# KiCad board Naked48.kicad_pcb
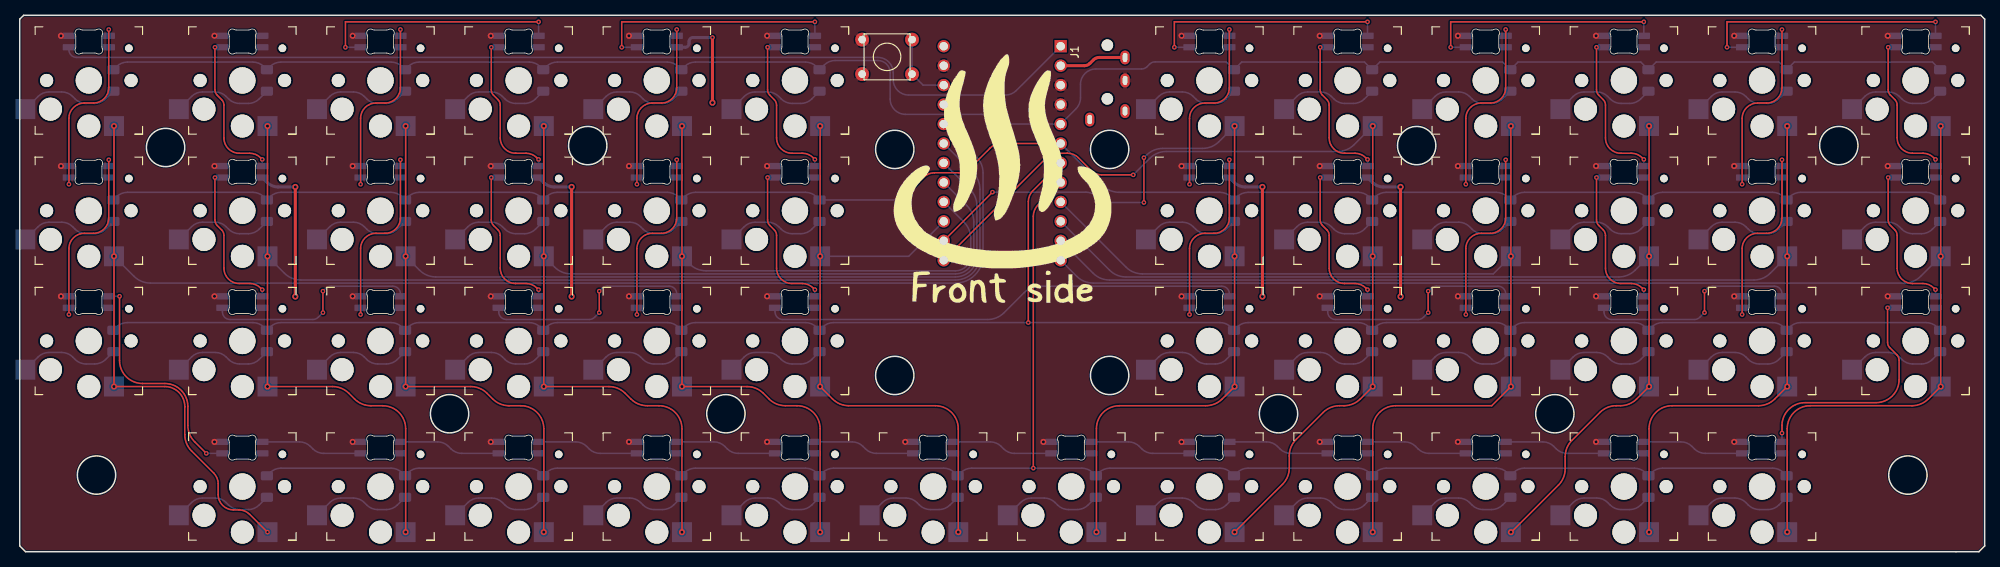
[diagram p0: board, top side]
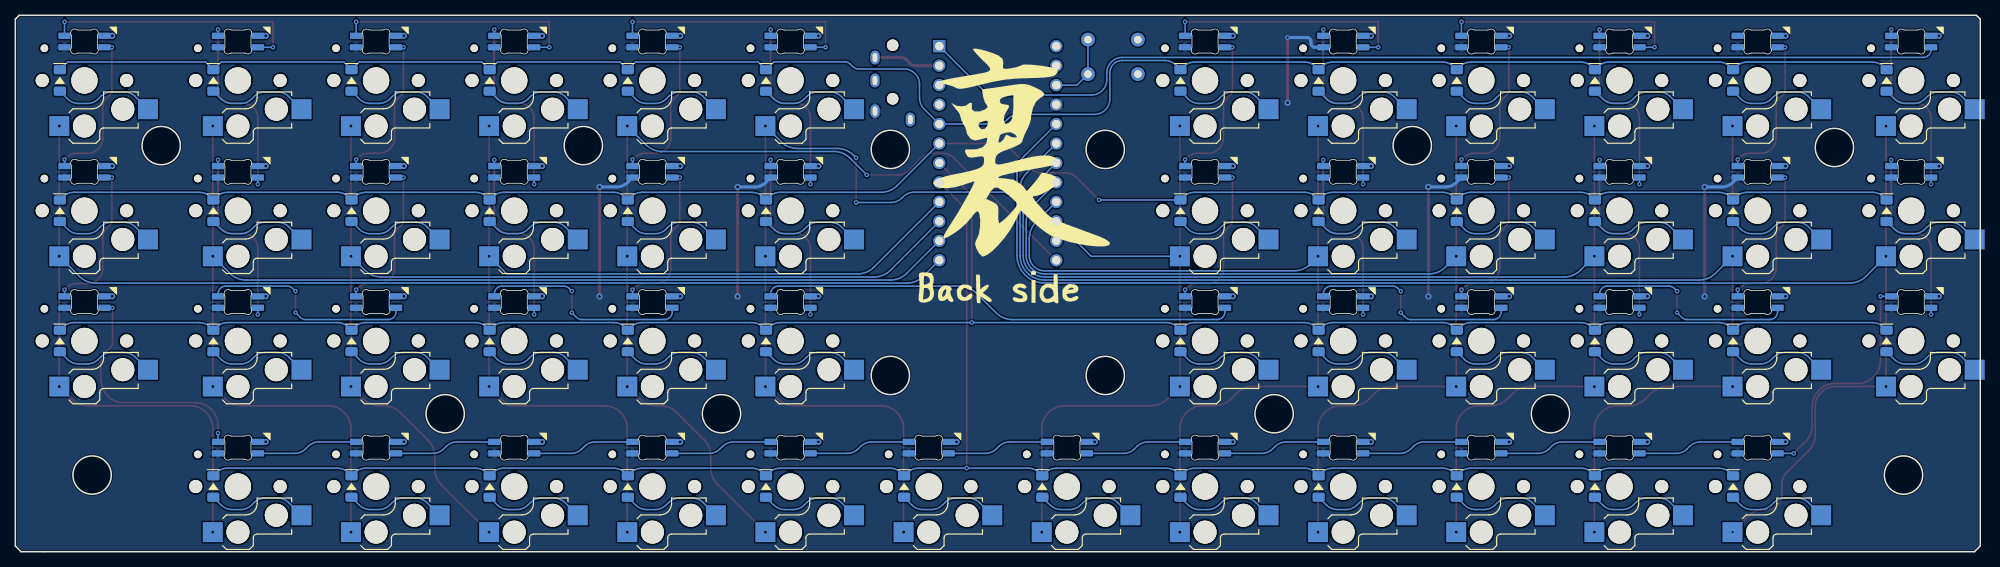
[diagram p1: board, bottom side, seen from below]

Outline 256 x 70 mm; copper layers: Top, Bottom. Coordinates in mm from the lower left corner of the outline.
Outline path: circle c10,10 r2.5 ; circle c19,52.75 r2.5 ; circle c56,18 r2.5 ; circle c74,53 r2.5 ; circle c92,18 r2.5 ; circle c114,52.5 r2.5 ; circle c114,23 r2.5 ; circle c142,52.5 r2.5 ; circle c142,23 r2.5 ; circle c164,18 r2.5 ; circle c182,53 r2.5 ; circle c200,18 r2.5 ; circle c237,53 r2.5 ; circle c246,10 r2.5 ; 0,69.5 0.5,70 255.5,70 256,69.5 256,0.75 255.25,0 0.75,0 0,0.75 0,69.5

## Placement (name value [footprint] x y rotation side)
D1  1N4148  [DIODE_1206_SawnsProjects]  12.2 61.5 270 bottom
D2  1N4148  [DIODE_1206_SawnsProjects]  32.2 61.5 270 bottom
D3  1N4148  [DIODE_1206_SawnsProjects]  50.2 61.5 270 bottom
D4  1N4148  [DIODE_1206_SawnsProjects]  68.2 61.5 270 bottom
D5  1N4148  [DIODE_1206_SawnsProjects]  86.2 61.5 270 bottom
D6  1N4148  [DIODE_1206_SawnsProjects]  104.2 61.5 270 bottom
D7  1N4148  [DIODE_1206_SawnsProjects]  158.2 61.5 270 bottom
D8  1N4148  [DIODE_1206_SawnsProjects]  176.2 61.5 270 bottom
D9  1N4148  [DIODE_1206_SawnsProjects]  194.2 61.5 270 bottom
D10  1N4148  [DIODE_1206_SawnsProjects]  212.2 61.5 270 bottom
D11  1N4148  [DIODE_1206_SawnsProjects]  230.2 61.5 270 bottom
D12  1N4148  [DIODE_1206_SawnsProjects]  250.2 61.5 270 bottom
D13  1N4148  [DIODE_1206_SawnsProjects]  12.2 44.5 270 bottom
D14  1N4148  [DIODE_1206_SawnsProjects]  32.2 44.5 270 bottom
D15  1N4148  [DIODE_1206_SawnsProjects]  50.2 44.5 270 bottom
D16  1N4148  [DIODE_1206_SawnsProjects]  68.2 44.5 270 bottom
D17  1N4148  [DIODE_1206_SawnsProjects]  86.2 44.5 270 bottom
D18  1N4148  [DIODE_1206_SawnsProjects]  104.2 44.5 270 bottom
D19  1N4148  [DIODE_1206_SawnsProjects]  158.2 44.5 270 bottom
D20  1N4148  [DIODE_1206_SawnsProjects]  176.2 44.5 270 bottom
D21  1N4148  [DIODE_1206_SawnsProjects]  194.2 44.5 270 bottom
D22  1N4148  [DIODE_1206_SawnsProjects]  212.2 44.5 270 bottom
D23  1N4148  [DIODE_1206_SawnsProjects]  230.2 44.5 270 bottom
D24  1N4148  [DIODE_1206_SawnsProjects]  250.2 44.5 270 bottom
D25  1N4148  [DIODE_1206_SawnsProjects]  12.2 27.5 270 bottom
D26  1N4148  [DIODE_1206_SawnsProjects]  32.2 8.5 270 bottom
D27  1N4148  [DIODE_1206_SawnsProjects]  32.2 27.5 270 bottom
D28  1N4148  [DIODE_1206_SawnsProjects]  50.2 8.5 270 bottom
D29  1N4148  [DIODE_1206_SawnsProjects]  50.2 27.5 270 bottom
D30  1N4148  [DIODE_1206_SawnsProjects]  68.2 8.5 270 bottom
D31  1N4148  [DIODE_1206_SawnsProjects]  68.2 27.5 270 bottom
D32  1N4148  [DIODE_1206_SawnsProjects]  86.2 8.5 270 bottom
D33  1N4148  [DIODE_1206_SawnsProjects]  86.2 27.5 270 bottom
D34  1N4148  [DIODE_1206_SawnsProjects]  104.2 8.5 270 bottom
D35  1N4148  [DIODE_1206_SawnsProjects]  104.2 27.5 270 bottom
D36  1N4148  [DIODE_1206_SawnsProjects]  122.2 8.5 270 bottom
D37  1N4148  [DIODE_1206_SawnsProjects]  158.2 27.5 270 bottom
D38  1N4148  [DIODE_1206_SawnsProjects]  140.2 8.5 270 bottom
D39  1N4148  [DIODE_1206_SawnsProjects]  176.2 27.5 270 bottom
D40  1N4148  [DIODE_1206_SawnsProjects]  158.2 8.5 270 bottom
D41  1N4148  [DIODE_1206_SawnsProjects]  194.2 27.5 270 bottom
D42  1N4148  [DIODE_1206_SawnsProjects]  176.2 8.5 270 bottom
D43  1N4148  [DIODE_1206_SawnsProjects]  212.2 27.5 270 bottom
D44  1N4148  [DIODE_1206_SawnsProjects]  194.2 8.5 270 bottom
D45  1N4148  [DIODE_1206_SawnsProjects]  230.2 27.5 270 bottom
D46  1N4148  [DIODE_1206_SawnsProjects]  212.2 8.5 270 bottom
D47  1N4148  [DIODE_1206_SawnsProjects]  250.2 27.5 270 bottom
D48  1N4148  [DIODE_1206_SawnsProjects]  230.2 8.5 270 bottom
G***  LOGO  [Back_side]  128 34 0 top
G***#2  LOGO  [Front_side]  128 34 0 top
G***#3  LOGO  [onsen]  128 51 0 top
G***#4  LOGO  [ura]  128 51 0 top
J1  SPI connection  [PJ-3200B-4A-Assembly]  141.7 67.7 270 top
MX1  1U  [Kailh_socket_PG1350]  9 61.5 0 top
MX2  1U  [Kailh_socket_PG1350]  29 61.5 0 top
MX3  1U  [Kailh_socket_PG1350]  47 61.5 0 top
MX4  1U  [Kailh_socket_PG1350]  65 61.5 0 top
MX5  1U  [Kailh_socket_PG1350]  83 61.5 0 top
MX6  1U  [Kailh_socket_PG1350]  101 61.5 0 top
MX7  1U  [Kailh_socket_PG1350]  155 61.5 0 top
MX8  1U  [Kailh_socket_PG1350]  173 61.5 0 top
MX9  1U  [Kailh_socket_PG1350]  191 61.5 0 top
MX10  1U  [Kailh_socket_PG1350]  209 61.5 0 top
MX11  1U  [Kailh_socket_PG1350]  227 61.5 0 top
MX12  1U  [Kailh_socket_PG1350]  247 61.5 0 top
MX13  1U  [Kailh_socket_PG1350]  9 44.5 0 top
MX14  1U  [Kailh_socket_PG1350]  29 44.5 0 top
MX15  1U  [Kailh_socket_PG1350]  47 44.5 0 top
MX16  1U  [Kailh_socket_PG1350]  65 44.5 0 top
MX17  1U  [Kailh_socket_PG1350]  83 44.5 0 top
MX18  1U  [Kailh_socket_PG1350]  101 44.5 0 top
MX19  1U  [Kailh_socket_PG1350]  155 44.5 0 top
MX20  1U  [Kailh_socket_PG1350]  173 44.5 0 top
MX21  1U  [Kailh_socket_PG1350]  191 44.5 0 top
MX22  1U  [Kailh_socket_PG1350]  209 44.5 0 top
MX23  1U  [Kailh_socket_PG1350]  227 44.5 0 top
MX24  1U  [Kailh_socket_PG1350]  247 44.5 0 top
MX25  1U  [Kailh_socket_PG1350]  9 27.5 0 top
MX26  1U  [Kailh_socket_PG1350]  29 8.5 0 top
MX27  1U  [Kailh_socket_PG1350]  29 27.5 0 top
MX28  1U  [Kailh_socket_PG1350]  47 8.5 0 top
MX29  1U  [Kailh_socket_PG1350]  47 27.5 0 top
MX30  1U  [Kailh_socket_PG1350]  65 8.5 0 top
MX31  1U  [Kailh_socket_PG1350]  65 27.5 0 top
MX32  1U  [Kailh_socket_PG1350]  83 8.5 0 top
MX33  1U  [Kailh_socket_PG1350]  83 27.5 0 top
MX34  1U  [Kailh_socket_PG1350]  101 8.5 0 top
MX35  1U  [Kailh_socket_PG1350]  101 27.5 0 top
MX36  1U  [Kailh_socket_PG1350]  119 8.5 0 top
MX37  1U  [Kailh_socket_PG1350]  155 27.5 0 top
MX38  1U  [Kailh_socket_PG1350]  137 8.5 0 top
MX39  1U  [Kailh_socket_PG1350]  173 27.5 0 top
MX40  1U  [Kailh_socket_PG1350]  155 8.5 0 top
MX41  1U  [Kailh_socket_PG1350]  191 27.5 0 top
MX42  1U  [Kailh_socket_PG1350]  173 8.5 0 top
MX43  1U  [Kailh_socket_PG1350]  209 27.5 0 top
MX44  1U  [Kailh_socket_PG1350]  191 8.5 0 top
MX45  1U  [Kailh_socket_PG1350]  227 27.5 0 top
MX46  1U  [Kailh_socket_PG1350]  209 8.5 0 top
MX47  1U  [Kailh_socket_PG1350]  247 27.5 0 top
MX48  1U  [Kailh_socket_PG1350]  227 8.5 0 top
RGB1  SK6812miniE  [MX_SK6812MINI-E]  9 61.5 180 top
RGB2  SK6812miniE  [MX_SK6812MINI-E]  9 44.5 180 top
RGB3  SK6812miniE  [MX_SK6812MINI-E]  9 27.5 180 top
RGB4  SK6812miniE  [MX_SK6812MINI-E]  29 8.5 180 top
RGB5  SK6812miniE  [MX_SK6812MINI-E]  47 8.5 180 top
RGB6  SK6812miniE  [MX_SK6812MINI-E]  65 8.5 180 top
RGB7  SK6812miniE  [MX_SK6812MINI-E]  83 8.5 180 top
RGB8  SK6812miniE  [MX_SK6812MINI-E]  101 8.5 180 top
RGB9  SK6812miniE  [MX_SK6812MINI-E]  247 27.5 180 top
RGB10  SK6812miniE  [MX_SK6812MINI-E]  227 8.5 180 top
RGB11  SK6812miniE  [MX_SK6812MINI-E]  209 8.5 180 top
RGB12  SK6812miniE  [MX_SK6812MINI-E]  191 8.5 180 top
RGB13  SK6812miniE  [MX_SK6812MINI-E]  173 8.5 180 top
RGB14  SK6812miniE  [MX_SK6812MINI-E]  155 8.5 180 top
RGB15  SK6812miniE  [MX_SK6812MINI-E]  137 8.5 180 top
RGB16  SK6812miniE  [MX_SK6812MINI-E]  119 8.5 180 top
RGB17  SK6812miniE  [MX_SK6812MINI-E]  247 44.5 180 top
RGB18  SK6812miniE  [MX_SK6812MINI-E]  155 44.5 180 top
RGB19  SK6812miniE  [MX_SK6812MINI-E]  247 61.5 180 top
RGB20  SK6812miniE  [MX_SK6812MINI-E]  155 61.5 180 top
RGB21  SK6812miniE  [MX_SK6812MINI-E]  227 61.5 180 top
RGB22  SK6812miniE  [MX_SK6812MINI-E]  173 61.5 180 top
RGB23  SK6812miniE  [MX_SK6812MINI-E]  227 44.5 180 top
RGB24  SK6812miniE  [MX_SK6812MINI-E]  173 44.5 180 top
RGB25  SK6812miniE  [MX_SK6812MINI-E]  227 27.5 180 top
RGB26  SK6812miniE  [MX_SK6812MINI-E]  173 27.5 180 top
RGB27  SK6812miniE  [MX_SK6812MINI-E]  209 27.5 180 top
RGB28  SK6812miniE  [MX_SK6812MINI-E]  191 27.5 180 top
RGB29  SK6812miniE  [MX_SK6812MINI-E]  209 44.5 180 top
RGB30  SK6812miniE  [MX_SK6812MINI-E]  191 44.5 180 top
RGB31  SK6812miniE  [MX_SK6812MINI-E]  209 61.5 180 top
RGB32  SK6812miniE  [MX_SK6812MINI-E]  191 61.5 180 top
RGB33  SK6812miniE  [MX_SK6812MINI-E]  155 27.5 180 top
RGB34  SK6812miniE  [MX_SK6812MINI-E]  29 61.5 180 top
RGB35  SK6812miniE  [MX_SK6812MINI-E]  101 27.5 180 top
RGB36  SK6812miniE  [MX_SK6812MINI-E]  29 44.5 180 top
RGB37  SK6812miniE  [MX_SK6812MINI-E]  101 44.5 180 top
RGB38  SK6812miniE  [MX_SK6812MINI-E]  29 27.5 180 top
RGB39  SK6812miniE  [MX_SK6812MINI-E]  101 61.5 180 top
RGB40  SK6812miniE  [MX_SK6812MINI-E]  47 27.5 180 top
RGB41  SK6812miniE  [MX_SK6812MINI-E]  83 61.5 180 top
RGB42  SK6812miniE  [MX_SK6812MINI-E]  47 44.5 180 top
RGB43  SK6812miniE  [MX_SK6812MINI-E]  83 44.5 180 top
RGB44  SK6812miniE  [MX_SK6812MINI-E]  47 61.5 180 top
RGB45  SK6812miniE  [MX_SK6812MINI-E]  83 27.5 180 top
RGB46  SK6812miniE  [MX_SK6812MINI-E]  65 61.5 180 top
RGB47  SK6812miniE  [MX_SK6812MINI-E]  65 27.5 180 top
RGB48  SK6812miniE  [MX_SK6812MINI-E]  65 44.5 180 top
SW1  SW_Push  [PushButton_6x6mm_TH_Pretty]  113 64.58 0 top
U1  ProMicro  [ProMicro-NoSilk]  128 52 270 bottom

## Library data of the parts
RGB1-RGB48 = -: Field4: 1

## Footprints (pads in the part's own frame, mm; a bottom-side part is the same pattern mirrored in y, then rotated)
DIODE_1206_SawnsProjects
  rrect 1.2x1.6 smd: 1(-1.4,0) 2(1.4,0)
Kailh_socket_PG1350
  round 1.702 hole 1.702 unplated: (-5.5,0) (5.5,0)
  round 3 hole 3 unplated: (-5,-3.75) (0,-5.95)
  round 3.429 hole 3.429 unplated: (0,0)
  round 0.991 hole 0.991 unplated: (5.22,4.2)
  rect 2.6x2.6 smd far side: 1(3.275,-5.95) 2(-8.275,-3.75)
MX_SK6812MINI-E
  rrect 1.6x0.82 smd far side: 1(-2.6,-4.33) 2(-2.6,-5.83) 3(2.6,-5.83) 4(2.6,-4.33)
PJ-3200B-4A-Assembly
  round 1.5 hole 1.5 unplated: (1.6,0) (8.6,0)
  oval 1.8x1.2 hole 1.2x0.6: 1(3.2,2.3) 2(6.2,2.3) 3(10.2,2.3) 4(11.3,-2.3)
ProMicro-NoSilk
  rect 1.6x1.6 hole 1.1: 1(-13.97,-7.62)
  round 1.6 hole 1.1: 2(-11.43,-7.62) 3(-8.89,-7.62) 4(-6.35,-7.62) 5(-3.81,-7.62) 6(-1.27,-7.62) 7(1.27,-7.62) 8(3.81,-7.62) 9(6.35,-7.62) 10(8.89,-7.62) 11(11.43,-7.62) 12(13.97,-7.62) 13(13.97,7.62) 14(11.43,7.62) 15(8.89,7.62) 16(6.35,7.62) 17(3.81,7.62) 18(1.27,7.62) 19(-1.27,7.62) 20(-3.81,7.62) 21(-6.35,7.62) 22(-8.89,7.62) 23(-11.43,7.62) 24(-13.97,7.62)
PushButton_6x6mm_TH_Pretty
  round 1.8 hole 1: 1(3.25,2.25) 2(-3.25,-2.25) 3(3.25,-2.25) 4(-3.25,2.25)

## Nets
+5V: J1.3 RGB1.1 RGB2.1 RGB3.1 RGB4.1 RGB5.1 RGB6.1 RGB7.1 RGB8.1 RGB9.1 RGB10.1 RGB11.1 RGB12.1 RGB13.1 RGB14.1 RGB15.1 RGB16.1 RGB17.1 RGB18.1 RGB19.1 RGB20.1 RGB21.1 RGB22.1 RGB23.1 RGB24.1 RGB25.1 RGB26.1 RGB27.1 RGB28.1 RGB29.1 RGB30.1 RGB31.1 RGB32.1 RGB33.1 RGB34.1 RGB35.1 RGB36.1 RGB37.1 RGB38.1 RGB39.1 RGB40.1 RGB41.1 RGB42.1 RGB43.1 RGB44.1 RGB45.1 RGB46.1 RGB47.1 RGB48.1 U1.21
GND: J1.2 RGB1.3 RGB2.3 RGB3.3 RGB4.3 RGB5.3 RGB6.3 RGB7.3 RGB8.3 RGB9.3 RGB10.3 RGB11.3 RGB12.3 RGB13.3 RGB14.3 RGB15.3 RGB16.3 RGB17.3 RGB18.3 RGB19.3 RGB20.3 RGB21.3 RGB22.3 RGB23.3 RGB24.3 RGB25.3 RGB26.3 RGB27.3 RGB28.3 RGB29.3 RGB30.3 RGB31.3 RGB32.3 RGB33.3 RGB34.3 RGB35.3 RGB36.3 RGB37.3 RGB38.3 RGB39.3 RGB40.3 RGB41.3 RGB42.3 RGB43.3 RGB44.3 RGB45.3 RGB46.3 RGB47.3 RGB48.3 SW1.2 SW1.4 U1.3 U1.4 U1.23
Col0: MX1.1 MX13.1 MX25.1 MX26.1 U1.20
Col1: MX2.1 MX14.1 MX27.1 MX28.1 U1.19
Col2: MX3.1 MX15.1 MX29.1 MX30.1 U1.18
Col3: MX4.1 MX16.1 MX31.1 MX32.1 U1.17
Col4: MX5.1 MX17.1 MX33.1 MX34.1 U1.16
Col5: MX6.1 MX18.1 MX35.1 MX36.1 U1.15
Col6: MX7.1 MX19.1 MX37.1 MX38.1 U1.14
Col7: MX8.1 MX20.1 MX39.1 MX40.1 U1.13
Col8: MX9.1 MX21.1 MX41.1 MX42.1 U1.9
Col9: MX10.1 MX22.1 MX43.1 MX44.1 U1.10
Col10: MX11.1 MX23.1 MX45.1 MX46.1 U1.11
Col11: MX12.1 MX24.1 MX47.1 MX48.1 U1.12
DATA: J1.1 U1.2
RGB: RGB1.4 U1.1
Row0: D1.1 D2.1 D3.1 D4.1 D5.1 D6.1 D7.1 D8.1 D9.1 D10.1 D11.1 D12.1 U1.5
Row1: D13.1 D14.1 D15.1 D16.1 D17.1 D18.1 D19.1 D20.1 D21.1 D22.1 D23.1 D24.1 U1.6
Row2: D25.1 D27.1 D29.1 D31.1 D33.1 D35.1 D37.1 D39.1 D41.1 D43.1 D45.1 D47.1 U1.7
Row3: D26.1 D28.1 D30.1 D32.1 D34.1 D36.1 D38.1 D40.1 D42.1 D44.1 D46.1 D48.1 U1.8
RST: SW1.1 SW1.3 U1.22
Net-(D1-Pad2): D1.2 MX1.2
Net-(D2-Pad2): D2.2 MX2.2
Net-(D3-Pad2): D3.2 MX3.2
Net-(D4-Pad2): D4.2 MX4.2
Net-(D5-Pad2): D5.2 MX5.2
Net-(D6-Pad2): D6.2 MX6.2
Net-(D7-Pad2): D7.2 MX7.2
Net-(D8-Pad2): D8.2 MX8.2
Net-(D9-Pad2): D9.2 MX9.2
Net-(D10-Pad2): D10.2 MX10.2
Net-(D11-Pad2): D11.2 MX11.2
Net-(D12-Pad2): D12.2 MX12.2
Net-(D13-Pad2): D13.2 MX13.2
Net-(D14-Pad2): D14.2 MX14.2
Net-(D15-Pad2): D15.2 MX15.2
Net-(D16-Pad2): D16.2 MX16.2
Net-(D17-Pad2): D17.2 MX17.2
Net-(D18-Pad2): D18.2 MX18.2
Net-(D19-Pad2): D19.2 MX19.2
Net-(D20-Pad2): D20.2 MX20.2
Net-(D21-Pad2): D21.2 MX21.2
Net-(D22-Pad2): D22.2 MX22.2
Net-(D23-Pad2): D23.2 MX23.2
Net-(D24-Pad2): D24.2 MX24.2
Net-(D25-Pad2): D25.2 MX25.2
Net-(D26-Pad2): D26.2 MX26.2
Net-(D27-Pad2): D27.2 MX27.2
Net-(D28-Pad2): D28.2 MX28.2
Net-(D29-Pad2): D29.2 MX29.2
Net-(D30-Pad2): D30.2 MX30.2
Net-(D31-Pad2): D31.2 MX31.2
Net-(D32-Pad2): D32.2 MX32.2
Net-(D33-Pad2): D33.2 MX33.2
Net-(D34-Pad2): D34.2 MX34.2
Net-(D35-Pad2): D35.2 MX35.2
Net-(D36-Pad2): D36.2 MX36.2
Net-(D37-Pad2): D37.2 MX37.2
Net-(D38-Pad2): D38.2 MX38.2
Net-(D39-Pad2): D39.2 MX39.2
Net-(D40-Pad2): D40.2 MX40.2
Net-(D41-Pad2): D41.2 MX41.2
Net-(D42-Pad2): D42.2 MX42.2
Net-(D43-Pad2): D43.2 MX43.2
Net-(D44-Pad2): D44.2 MX44.2
Net-(D45-Pad2): D45.2 MX45.2
Net-(D46-Pad2): D46.2 MX46.2
Net-(D47-Pad2): D47.2 MX47.2
Net-(D48-Pad2): D48.2 MX48.2
Net-(RGB1-Pad2): RGB1.2 RGB2.4
Net-(RGB2-Pad2): RGB2.2 RGB3.4
Net-(RGB3-Pad2): RGB3.2 RGB4.4
Net-(RGB4-Pad2): RGB4.2 RGB5.4
Net-(RGB5-Pad2): RGB5.2 RGB6.4
Net-(RGB6-Pad2): RGB6.2 RGB7.4
Net-(RGB7-Pad2): RGB7.2 RGB8.4
Net-(RGB10-Pad2): RGB9.4 RGB10.2
Net-(RGB10-Pad4): RGB10.4 RGB11.2
Net-(RGB11-Pad4): RGB11.4 RGB12.2
Net-(RGB12-Pad4): RGB12.4 RGB13.2
Net-(RGB13-Pad4): RGB13.4 RGB14.2
Net-(RGB14-Pad4): RGB14.4 RGB15.2
Net-(RGB15-Pad4): RGB15.4 RGB16.2
Net-(RGB16-Pad4): RGB8.2 RGB16.4
Net-(RGB17-Pad2): RGB17.2 RGB19.4
Net-(RGB17-Pad4): RGB9.2 RGB17.4
Net-(RGB18-Pad2): RGB18.2 RGB33.4
Net-(RGB18-Pad4): RGB18.4 RGB20.2
Net-(RGB19-Pad2): RGB19.2 RGB21.4
Net-(RGB20-Pad4): RGB20.4 RGB22.2
Net-(RGB21-Pad2): RGB21.2 RGB23.4
Net-(RGB22-Pad4): RGB22.4 RGB24.2
Net-(RGB23-Pad2): RGB23.2 RGB25.4
Net-(RGB24-Pad4): RGB24.4 RGB26.2
Net-(RGB25-Pad2): RGB25.2 RGB27.4
Net-(RGB26-Pad4): RGB26.4 RGB28.2
Net-(RGB27-Pad2): RGB27.2 RGB29.4
Net-(RGB28-Pad4): RGB28.4 RGB30.2
Net-(RGB29-Pad2): RGB29.2 RGB31.4
Net-(RGB30-Pad4): RGB30.4 RGB32.2
Net-(RGB31-Pad2): RGB31.2 RGB32.4
Net-(RGB33-Pad2): RGB33.2 RGB35.4
Net-(RGB34-Pad2): RGB34.2
Net-(RGB34-Pad4): RGB34.4 RGB36.2
Net-(RGB35-Pad2): RGB35.2 RGB37.4
Net-(RGB36-Pad4): RGB36.4 RGB38.2
Net-(RGB37-Pad2): RGB37.2 RGB39.4
Net-(RGB38-Pad4): RGB38.4 RGB40.2
Net-(RGB39-Pad2): RGB39.2 RGB41.4
Net-(RGB40-Pad4): RGB40.4 RGB42.2
Net-(RGB41-Pad2): RGB41.2 RGB43.4
Net-(RGB42-Pad4): RGB42.4 RGB44.2
Net-(RGB43-Pad2): RGB43.2 RGB45.4
Net-(RGB44-Pad4): RGB44.4 RGB46.2
Net-(RGB45-Pad2): RGB45.2 RGB47.4
Net-(RGB46-Pad4): RGB46.4 RGB48.2
Net-(RGB47-Pad2): RGB47.2 RGB48.4
Net-(U1-Pad24): U1.24

Pads without a net: J1 4

## Via types
v1: diameter 0.6, hole 0.3, Top to Bottom, 79 vias
v2: diameter 0.8, hole 0.4, Top to Bottom, 104 vias

## Routing (per net, layer and track width the routed paths; a pad name or vN(x,y) marks a point on that pad's centre or on a via; arc(x,y) is an arc through that point)
+5V: length 90.1
  Top w0.4: v2(179.9,47.6) v2(179.9,33.3) ; v2(35.9,47.6) v2(35.9,33.3) ; v2(71.9,47.6) v2(71.9,33.3) ; v1(90.25,67.1) v2(90.25,58.6) ; v2(161.9,47.6) v2(161.9,33.3)
  Bottom w0.4: v2(179.9,47.6) 177.65,47.6 arc(176.89,47.75) 176.24,48.19 175.59,48.83 ; v2(161.9,47.6) 159.65,47.6 arc(158.89,47.75) 158.24,48.19 157.59,48.83 ; v2(35.9,47.6) 33.65,47.6 arc(32.89,47.75) 32.24,48.19 31.59,48.83 ; 67.59,48.83 68.24,48.19 arc(68.89,47.75) 69.65,47.6 v2(71.9,47.6) ; v1(90.25,67.1) 87.7,67.1 arc(87.35,66.95) 87.2,66.6 87.2,66.33 arc(87.05,65.98) 86.7,65.83 85.59,65.83
GND: length 49.7
  Bottom w0.4: 26.41,14.33 v2(25.37,14.33) ; 44.41,67.33 v2(43.37,67.33) ; 62.41,67.33 v2(61.37,67.33) ; 80.41,67.33 v2(79.37,67.33) ; 98.41,67.33 v2(97.37,67.33) ; 152.41,67.33 v2(151.37,67.33) ; 170.41,67.33 v2(169.37,67.33) ; 188.41,67.33 v2(187.37,67.33) ; 206.41,67.33 v2(205.37,67.33) ; 224.41,67.33 v2(223.37,67.33) ; 26.41,50.33 v2(25.37,50.33) ; 44.41,50.33 v2(43.37,50.33) ; 62.41,50.33 v2(61.37,50.33) ; 80.41,50.33 v2(79.37,50.33) ; 98.41,50.33 v2(97.37,50.33) ; 152.41,50.33 v2(151.37,50.33) ; 170.41,50.33 v2(169.37,50.33) ; 188.41,50.33 v2(187.37,50.33) ; 206.41,50.33 v2(205.37,50.33) ; 224.41,50.33 v2(223.37,50.33) ; 26.41,33.33 v2(25.37,33.33) ; 44.41,33.33 v2(43.37,33.33) ; 62.41,33.33 v2(61.37,33.33) ; 80.41,33.33 v2(79.37,33.33) ; 98.41,33.33 v2(97.37,33.33) ; 152.41,33.33 v2(151.37,33.33) ; 170.41,33.33 v2(169.37,33.33) ; 188.41,33.33 v2(187.37,33.33) ; 206.41,33.33 v2(205.37,33.33) ; 224.41,33.33 v2(223.37,33.33) ; 44.41,14.33 v2(43.37,14.33) ; 62.41,14.33 v2(61.37,14.33) ; 80.41,14.33 v2(79.37,14.33) ; 98.41,14.33 v2(97.37,14.33) ; 116.41,14.33 v2(115.37,14.33) ; 134.41,14.33 v2(133.37,14.33) ; 152.41,14.33 v2(151.37,14.33) ; 170.41,14.33 v2(169.37,14.33) ; 188.41,14.33 v2(187.37,14.33) ; 206.41,14.33 v2(205.37,14.33) ; 224.41,14.33 v2(223.37,14.33) ; 6.41,33.33 v2(5.37,33.33) ; 26.41,67.33 v2(25.37,67.33) ; 6.41,67.33 v2(5.37,67.33) ; 244.4,33.33 v2(243.37,33.33) ; 244.4,67.33 v2(243.37,67.33) ; 6.41,50.33 v2(5.37,50.33) ; 244.4,50.33 v2(243.37,50.33)
Col0: length 202.2
  Top w0.2: v1(32.27,2.55) 29.96,4.87 arc(29.31,5.3) 28.54,5.45 27.85,5.45 arc(26.44,6.04) 25.85,7.45 25.85,8.85 arc(25.7,9.62) 25.26,10.27 22.38,13.15 arc(21.73,14.12) 21.5,15.27 21.5,18.95 arc(20.74,20.79) 18.9,21.55 v2(12.27,21.55) v2(12.27,38.55) v2(12.27,55.55)
  Bottom w0.2: U1.20 124.62,51.57 arc(125.27,50.6) 125.5,49.45 125.5,38.66 arc(124.45,36.11) 121.9,35.06 17.01,35.06 arc(15.86,35.28) 14.89,35.93 v2(12.27,38.55)
Col1: length 180.2
  Top w0.2: v2(50.28,2.55) 50.28,16.05 arc(49.4,18.17) 47.27,19.05 45.74,19.05 arc(44.59,19.28) 43.62,19.93 42.88,20.67 arc(41.91,21.32) 40.76,21.55 v2(32.27,21.55) v2(32.27,38.55) v2(32.27,55.55)
  Bottom w0.2: U1.19 124.22,49.43 arc(124.87,48.46) 125.1,47.31 125.1,38.66 arc(124.16,36.39) 121.9,35.46 36.61,35.46 arc(35.46,35.68) 34.49,36.33 v2(32.27,38.55)
Col2: length 158.7
  Top w0.2: v2(50.28,55.55) v2(50.28,38.55) v2(50.28,21.55) 58.76,21.55 arc(59.91,21.32) 60.88,20.67 61.62,19.93 arc(62.59,19.28) 63.74,19.05 65.28,19.05 arc(67.4,18.17) 68.28,16.05 v2(68.28,2.55)
  Bottom w0.2: U1.18 123.82,47.29 arc(124.47,46.32) 124.7,45.17 124.7,38.66 arc(123.88,36.68) 121.9,35.86 54.21,35.86 arc(53.06,36.08) 52.09,36.73 v2(50.28,38.55)
Col3: length 137.2
  Top w0.2: v2(68.28,55.55) v2(68.28,38.55) v2(68.28,21.55) 76.76,21.55 arc(77.91,21.32) 78.88,20.67 79.62,19.93 arc(80.59,19.28) 81.74,19.05 83.28,19.05 arc(85.4,18.17) 86.28,16.05 v2(86.28,2.55)
  Bottom w0.2: U1.17 123.42,45.15 arc(124.07,44.18) 124.3,43.03 124.3,38.66 arc(123.6,36.96) 121.9,36.26 71.81,36.26 arc(70.66,36.48) 69.69,37.13 v2(68.28,38.55)
Col4: length 115.7
  Top w0.2: v2(86.28,55.55) v2(86.28,38.55) v2(86.28,21.55) 94.76,21.55 arc(95.91,21.32) 96.88,20.67 97.62,19.93 arc(98.59,19.28) 99.74,19.05 101.28,19.05 arc(103.4,18.17) 104.28,16.05 v2(104.28,2.55)
  Bottom w0.2: v2(86.28,38.55) 87.29,37.53 arc(88.26,36.88) 89.41,36.66 121.9,36.66 arc(123.31,37.24) 123.9,38.66 123.9,40.89 arc(123.67,42.04) 123.02,43.01 U1.16
Col5: length 86.1
  Top w0.2: v2(104.28,55.55) v2(104.28,38.55) v2(104.28,21.55) 105.9,19.93 arc(106.87,19.28) 108.02,19.05 119.28,19.05 arc(121.4,18.17) 122.28,16.05 v2(122.28,2.55)
  Bottom w0.2: U1.15 115.82,38.55 v2(104.28,38.55)
Col6: length 116.3
  Top w0.2: v2(158.28,55.55) v2(158.28,38.55) v2(158.28,21.55) 156.65,19.93 arc(155.68,19.28) 154.53,19.05 143.28,19.05 arc(141.15,18.17) 140.28,16.05 v2(140.28,2.55) ; v1(146.46,51.42) v1(146.46,45.57) ; U1.14 v1(126.73,46.92)
  Bottom w0.2: v1(126.73,46.92) 138.9,46.92 arc(139.67,46.77) 140.32,46.33 140.49,46.16 arc(141.14,45.73) 141.91,45.57 v1(146.46,45.57) ; v1(146.46,51.42) 146.8,51.75 arc(147.77,52.4) 148.92,52.63 154.11,52.63 arc(155.26,52.86) 156.23,53.51 v2(158.28,55.55)
Col7: length 126.7
  Top w0.2: v2(176.28,55.55) v2(176.28,38.55) v2(176.28,21.55) 174.65,19.93 arc(173.68,19.28) 172.53,19.05 171.94,19.05 arc(170.79,18.82) 169.82,18.17 166.28,14.63 arc(165.63,13.66) 165.4,12.51 165.4,10.92 arc(165.17,9.77) 164.52,8.8 v2(158.28,2.55) ; v1(145.07,49.18) 140.98,49.18 arc(140.21,49.33) 139.56,49.77 137.91,51.42 arc(137.26,51.85) 136.5,52 135.18,52 arc(134.42,51.85) 133.77,51.42 U1.13
  Bottom w0.2: v2(176.28,55.55) 173.83,53.11 arc(172.86,52.46) 171.71,52.23 149.37,52.23 arc(148.22,52) 147.25,51.35 v1(145.07,49.18)
Col8: length 131.6
  Top w0.2: v2(194.28,55.55) v2(194.28,38.55) v2(194.28,21.55) 191.78,19.05 179.28,19.05 arc(177.15,18.17) 176.28,16.05 v2(176.28,2.55)
  Bottom w0.2: U1.9 144.14,37.13 arc(145.11,36.48) 146.26,36.26 191.98,36.26 v2(194.28,38.55)
Col9: length 142.4
  Top w0.2: v2(212.28,55.55) v2(212.28,38.55) v2(212.28,21.55) 210.65,19.93 arc(209.68,19.28) 208.53,19.05 207.99,19.05 arc(206.84,18.82) 205.87,18.17 202.23,14.53 arc(201.58,13.56) 201.35,12.41 201.35,10.81 arc(201.12,9.66) 200.47,8.69 194.22,2.44
  Bottom w0.2: v2(212.28,38.55) 210.46,36.73 arc(209.49,36.08) 208.34,35.86 144.12,35.86 arc(142.97,36.08) 142,36.73 U1.10
  vias: v2(194.28,2.55)
Col10: length 165.9
  Top w0.2: v2(230.28,55.55) v2(230.28,38.55) v2(230.28,21.55) 228.65,19.93 arc(227.68,19.28) 226.53,19.05 215.28,19.05 arc(213.15,18.17) 212.28,16.05 v2(212.28,2.55)
  Bottom w0.2: v2(230.28,38.55) 228.06,36.33 arc(227.09,35.68) 225.94,35.46 141.98,35.46 arc(140.83,35.68) 139.86,36.33 U1.11
Col11: length 187.2
  Top w0.2: v2(230.28,2.55) 230.28,16.05 arc(231.15,18.17) 233.28,19.05 246.53,19.05 arc(247.68,19.28) 248.65,19.93 v2(250.27,21.55) v2(250.27,38.55) v2(250.27,55.55)
  Bottom w0.2: v2(250.27,38.55) 247.66,35.93 arc(246.69,35.28) 245.54,35.06 139.84,35.06 arc(138.69,35.28) 137.72,35.93 U1.12
DATA: length 8.7
  Top w0.4: J1.1 140.61,64.5 arc(140.23,64.42) 139.91,64.21 139.42,63.72 arc(139.1,63.51) 138.72,63.43 U1.2